# Altium PCB LimeSDR-Micro_1v0.PcbDoc (part 7 of 8) (continued)
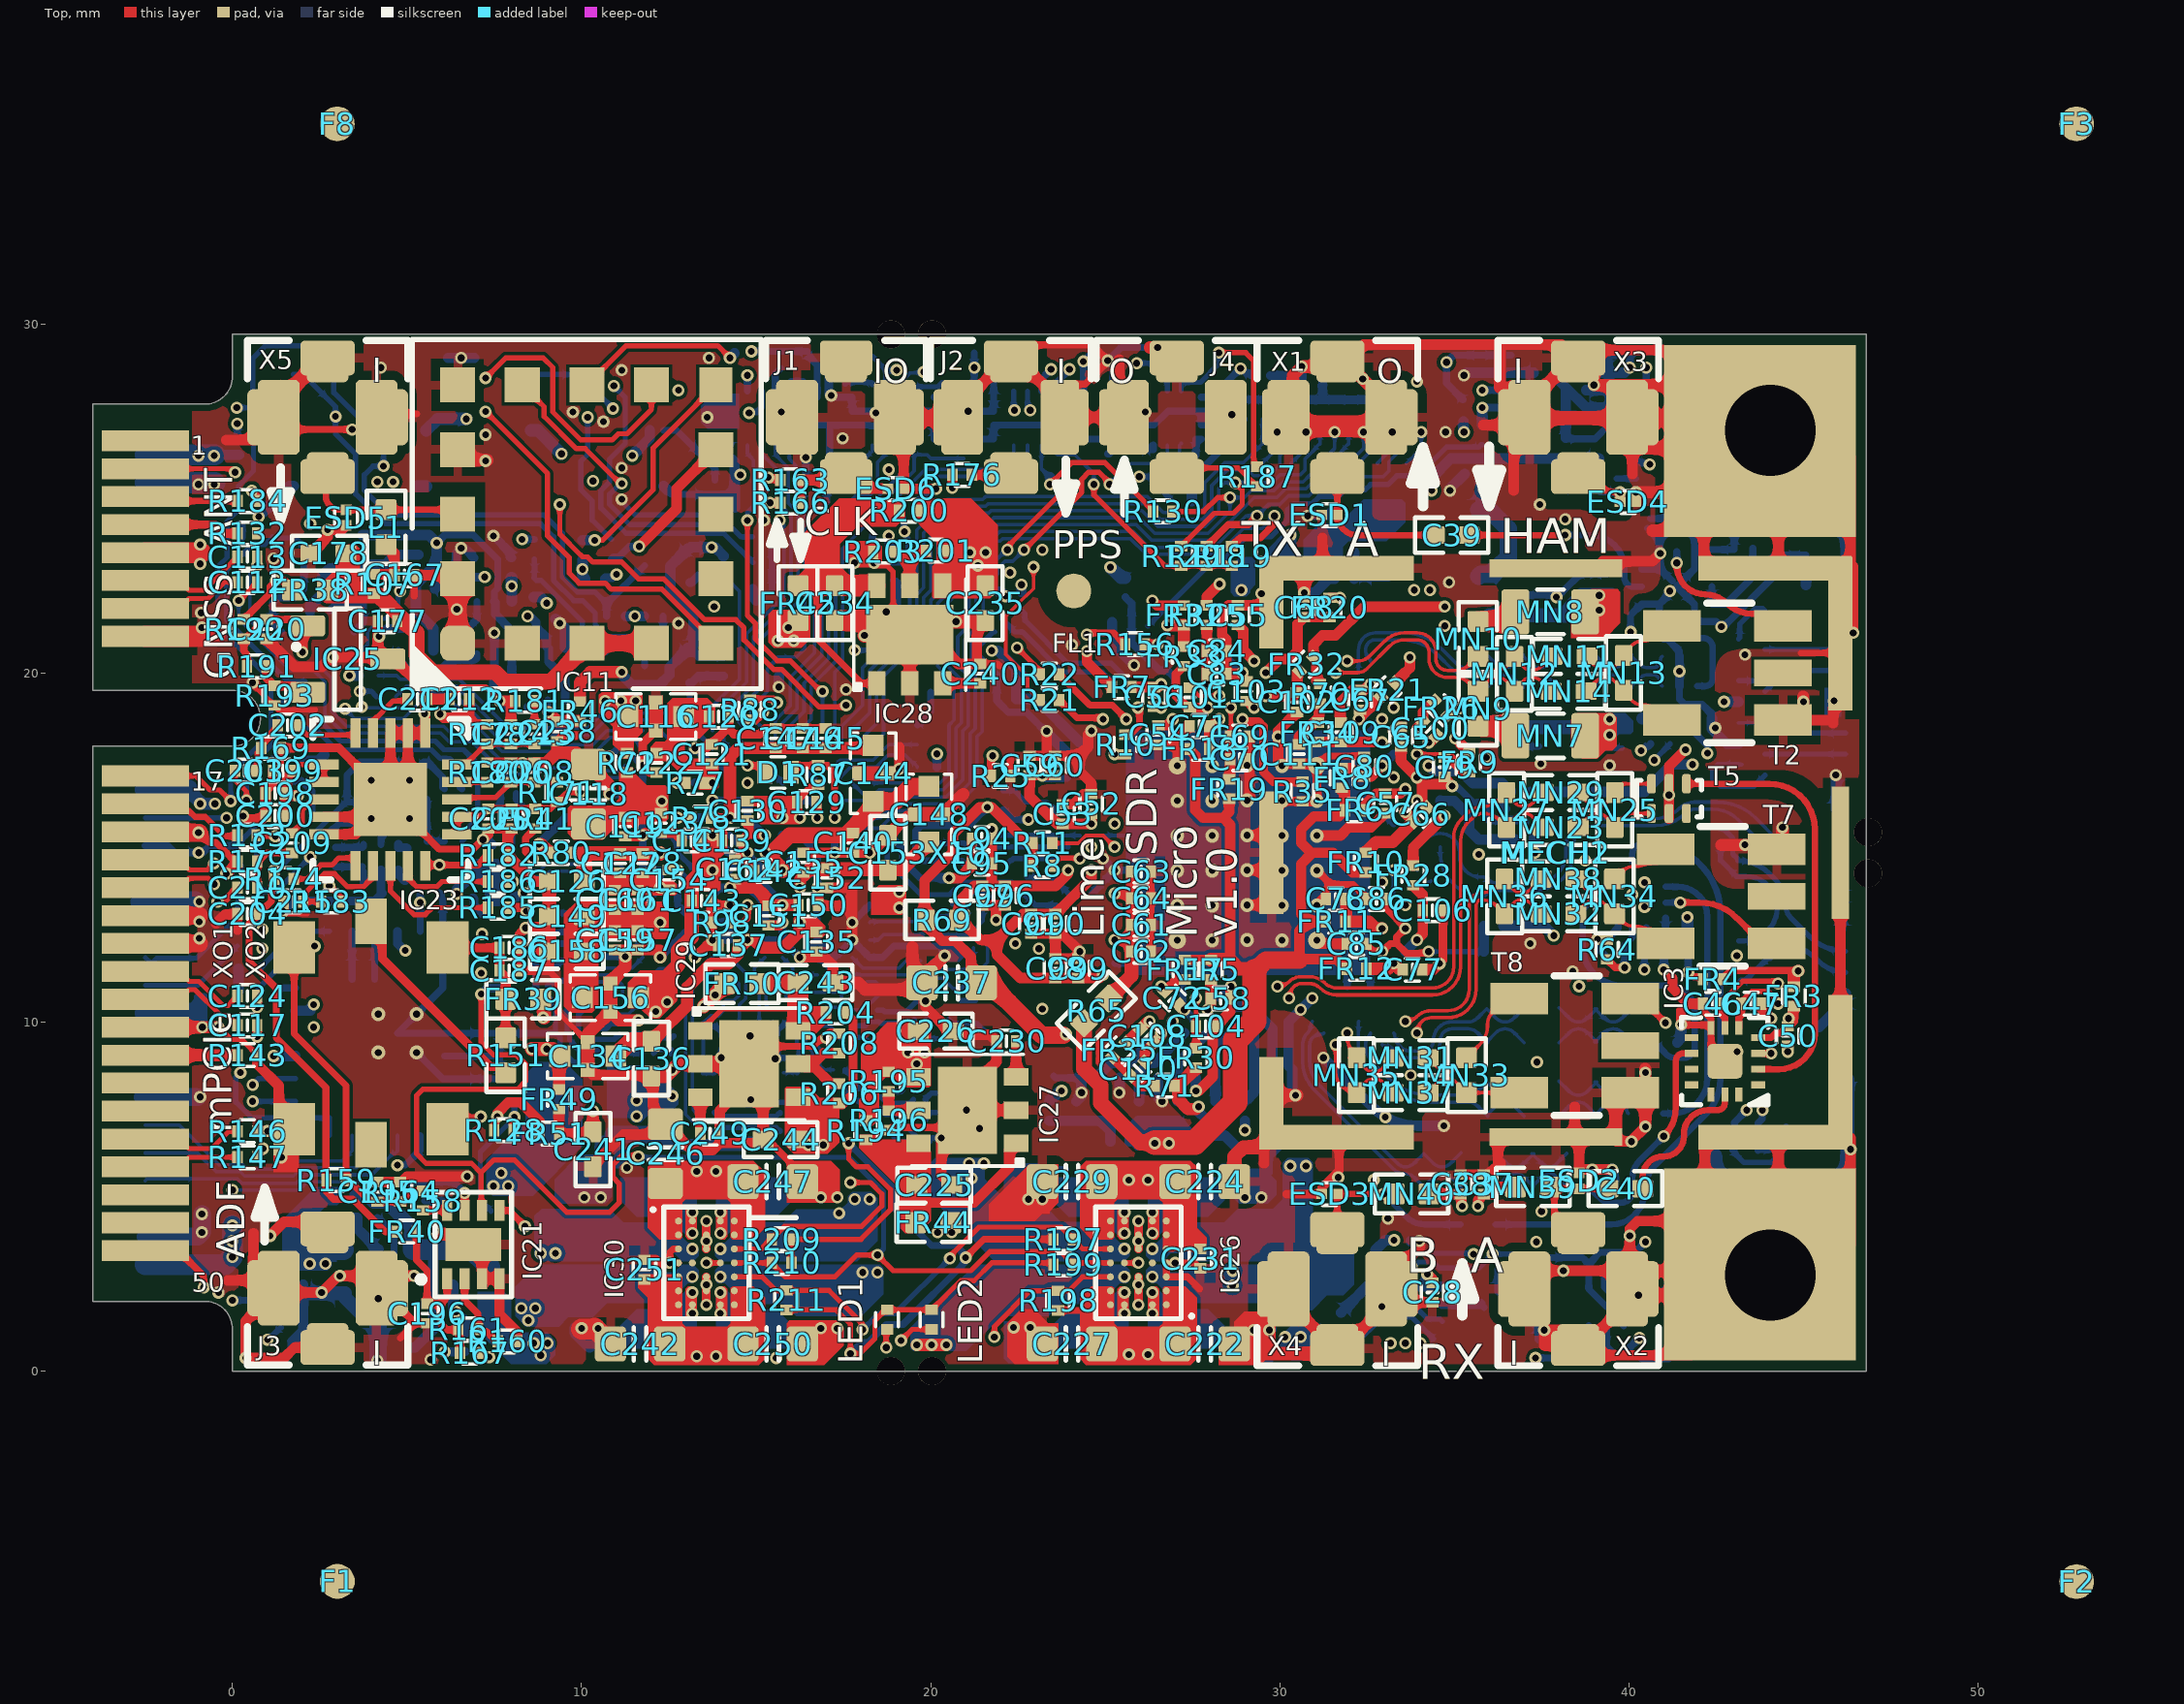
[diagram p0: Top view]
## Nets (pads, with @x,y where several pads share a name; then routed paths per layer and width w, separated by ;. In a path a pad name is that pad's centre, name@x,y a point inside that pad or via, vN(x,y) a via of type N, cw(c..) or ccw(c..) an arc to the next point about the centre after c; other vN are vias at no path point) (continued)
  Bottom w0.22: IC9.5@39.35,1.3 39.35,0.7 39.575,0.475 39.825,0.475 v1(40.3,0.95)
  Bottom w0.3: R149.1@11.275,21.625 v1(11.525,21.625) R140.1@11.775,21.625 ; v1(42.725,19.175) X13.8@43.142,19.175
  Bottom w0.35: X6.4@5.3,25.35 X6.4@5.55,25.35
VCC3P3_CLK: C132.2 C133.1 C182.1 C183.2 C185.2 C189.2 C192.2 C197.2 C201.1 C204.2 C205.2 C244.2 FR38.1 FR39.2 FR40.1 FR41.1 IC7.1 IC16.1 IC16.5 IC16.6 IC17.1 IC17.5 IC18.1 IC18.5 IC19.5 IC22.5 IC23.16 IC23.17 IC29.4 R159.1 R171.2 R174.1 R190.2 R204.2 R206.1 | length 117.3
  Top w0.2: R190.2@0.325,21.537 0.35,21.537 0.4,21.587 0.4,21.612 1.075,22.288 1.075,22.475 v1(1.25,22.65) 1.5,22.65 FR38.1@1.725,22.425 ; C204.2@0.655,13.05 C204.2@0.705,13.1 0.705,13.125 C204.2@0.755,13.175 ; R174.1@1.195,14.1 1.145,14.05 1.145,13.938 1.115,13.908 1.115,13.462 0.475,12.822 0.475,11.75 1.25,10.975 1.25,9.55 2.675,8.125 2.675,5.485 R159.1@2.69,5.47 2.69,5.135 2.9,4.925 3.45,4.925 4.38,3.995 FR40.1@4.715,3.995 ; IC23.16@6.425,15.375 IC23.17@6.425,15.875 6.445,15.895 7.115,15.895 7.25,16.03 7.25,16.055 7.3,16.105 C205.2@7.325,16.105 FR41.1@8.675,16.105 9.095,16.105 9.225,16.235 9.225,16.26 9.275,16.31 R171.2@9.3,16.31 9.35,16.36 9.398,16.36 9.638,16.6 v1(9.975,16.6)
  Top w0.25: 16.975,7.625 17.468,7.625 17.775,7.932 17.775,10.055 R204.2@17.555,10.275
  Top w0.3: R174.1@1.195,14.1 v1(1.195,14.35) ; C244.2@16.2,6.635 16.204,6.639 16.754,6.639
  Top w0.4: v1@8.925,10.125 FR39.2@8.925,10.65
  Top w0.6: C244.2@16.2,6.635 IC29.4@16.2,7.85
  L3 w0.3: v1(5.85,23.725) 5.85,21.925 5.025,21.1 5.025,19.1 2.8,16.875 2.8,15.955 v1(1.195,14.35) 1.9,13.645 1.9,11.8 2.125,11.575 5.3,11.575 5.625,11.9 7.226,11.9 7.55,11.576 7.55,10.624 7.35,10.424 7.35,9.475 8.1,8.725 9.3,8.725 9.5,8.925 9.5,9.9 9.275,10.125 ; v1@8.875,10.125 v1(8.9,10.125) 9.275,10.125 ; v1(9.975,16.6) 9.975,13.525 9.5,13.05 9.5,10.35 9.275,10.125
  L4 w0.25: v1(5.85,23.725) 5.85,23.475 6.175,23.15 8.6,23.15 9.6,22.15 11.45,22.15 13.3,24 14.075,24 14.75,23.325 14.75,20.55 15.225,20.075 16.275,20.075 19.25,23.05 v1(19.25,24.05)
  L4 w0.55: v1@9,10.125 10.6,10.125 11.375,9.35 11.925,9.35 12.175,9.6 12.886,9.6 13.45,9.036 ; 13.502,8.681 13.502,8.548 13.7,8.35 15.2,8.35 16.725,6.825
  L6 w0.3: v1(1.25,22.65) 1.825,23.225 2.84,23.225 3.34,23.725 v1(5.85,23.725)
  Bottom w0.15: v1(1.195,14.35) 1.295,14.35 3.245,16.3 C192.2@3.28,16.3 ; IC22.5@18.912,23.15 19.125,23.15 19.35,23.375 19.35,23.847 19.247,23.95 19.227,23.95 C197.2@19.227,24.427
  Bottom w0.2: IC19.5@4.25,15.087 4.25,15.3 4.495,15.545 4.495,16.3 C192.2@3.28,16.3 3.28,17.08 3.65,17.45 C183.2@4.92,17.45 ; C182.1@4.5,16.295 5.495,16.295 5.575,16.375 IC16.6@5.575,15.175 IC16.5@6.075,15.175 ; v1(5.85,23.725) 6.075,23.95 6.9,23.95 7.6,23.25 7.6,22.425 7.5,22.325 IC18.5@7.5,22.05
  Bottom w0.25: IC18.5@7.5,22.05 7.525,22.025 7.525,21.691 8,21.216 IC18.1@8,20.55 8,19.755 C189.2@8.03,19.725
  Bottom w0.3: IC7.1@3.725,23.95 C132.2@4.675,23.95 C133.1@5.325,23.95 5.625,23.95 v1(5.85,23.725) 5.85,23.125 5.25,22.525 IC17.5@5.25,22.15 5.25,21.775 5.75,21.275 IC17.1@5.75,20.65
  other v1: 16.5,6.475 16.925,6.475
VCC3P3_GNSS: C177.2 C178.2 FR38.2 IC11.14 IC11.15 R107.2 | length 11.2
  Top w0.45: FR38.2@2.725,22.225 4.205,22.225 5.275,21.155 5.275,20.5 5.75,20.025 7.525,20.025 7.8,19.75 9.1,19.75 9.875,20.525 9.875,20.575 IC11.15@10.15,20.85 IC11.14@12,20.85
VCC3P3_MPCIE: C218.2 FR43.1 R150.2 X10.2 X10.52 | length 50.1
  L4 w0.5: v1@-1.025,26.225 -1.575,25.674 -1.575,21.25 -1.05,20.725 0.899,20.725 1.825,19.799 1.825,18.125 0.775,17.075 -1.3,17.075 -2.025,16.35 -2.025,6.425 0,4.4 v1(0,4.169) 0,3.9 v1(0,3.72) ; v1(-0.975,26.224) v1@-0.6,26.225
  L4 w1: 0,3.544 v1(0,3.72) ; 0,3.9 0.825,4.725 2.3,4.725 5.275,7.7 6.175,7.7 6.925,8.45 10.54,8.45 11.365,7.625 11.925,7.625 12.2,7.9
  Bottom w0.3: v1@-0.45,26.25 R150.2@0.183,26.25
  Bottom w0.6: X10.52@-2.5,3.05 -0.219,3.05 v1(0,3.269) v1(0,3.72) v1(0,4.169) ; X10.2@-2.5,26.25 v1@-0.5,26.25
  other v1: 11.575,7.3 11.575,7.75 12.6,7.875 -0.525,26.225
VCC3P3_RF: C239.1 FR2.1 FR3.2 FR4.2 FR47.2 | length 37
  Top w0.2: FR4.2@42.68,11.225 42.68,11.25 42.73,11.3 42.755,11.3 42.93,11.475 v1@44.85,11.475
  Top w0.35: FR3.2@44.725,11.065 44.725,11.34 v1(44.85,11.465)
  L4 w0.3: v1(30.15,0.975) v1(30.6,0.975) 31.925,2.3 34.375,2.3 34.75,2.675 36.018,2.675 36.575,3.232 36.575,5.925 39.475,8.825 40.149,8.825 40.299,8.975 40.651,8.975 40.801,8.825 42.8,8.825 42.975,8.65 44.7,8.65 45,8.95 45,10.3 44.85,10.45 v1(44.85,11.465)
  L6 w0.4: v1@44.875,11.49 44.875,16.475 44.525,16.825 44.525,19.372 45.075,19.922 v2(45.075,22.52)
  Bottom w0.3: v2(45.075,22.52) FR2.1@45.075,22.82
VCC3P3_RF_RX1: C37.1 C50.1 FR3.1 IC3.4 MN39.2 | length 15.2
  Top w0.2: IC3.4@43.702,9.55 44.072,9.55 44.197,9.675 44.345,9.675 C50.1@44.55,9.88
  Top w0.3: v1(35.675,4.725) 35.685,4.735 35.685,4.905 35.825,5.045 35.825,5.07 C37.1@35.85,5.07 36.07,5.07 36.275,5.275 MN39.2@36.75,5.275 ; C50.1@44.55,9.88 44.7,10.03 FR3.1@44.7,10.455
  L4 w0.3: v1(35.675,4.725) 35.675,6.05 39,9.375 40.817,9.375 40.967,9.225 42.5,9.225 42.95,9.675 44.35,9.675 44.575,9.9 v1(44.575,10.1)
VCC3P3_RF_RX2: C38.1 C51.1 FR4.1 IC4.4 MN40.2 | length 14.4
  Top w0.2: v1(41.7,11.425) 41.825,11.3 42.07,11.3 42.12,11.25 FR4.1@42.12,11.225
  Top w0.3: MN40.2@34.275,5.075 34.28,5.07 C38.1@35.175,5.07 35.2,5.07 35.2,4.764 35.225,4.739 v1(35.225,4.725)
  L4 w0.3: v1(35.225,4.725) 35.225,7.309 38.166,10.25 40.125,10.25 40.625,10.75 41.025,10.75 v1(41.7,11.425)
  Bottom w0.2: IC4.4@41.053,12.975 41.053,12.572 C51.1@41.69,11.935 ; v1(41.7,11.425) C51.1@41.7,11.945
VCC_CLK: C253.2 FR50.1 IC30.E2 L9.2 | length 16.6
  Top w0.4: v1(13.5,10.45) FR50.1@14.1,11.05
  L3 w0.45: 8.475,1.675 8.475,1.825 9.775,3.125 9.775,3.8 9.5,4.075 9.5,5.107 10.643,6.25 10.9,6.25 11.35,6.7 11.75,6.7 12.075,7.025 12.075,8.075 11.125,9.025 11.125,10.35 12.025,11.25 13,11.25 13.65,10.6
  Bottom w0.1: 8.875,2.55 10.075,2.55 C253.2@10.225,2.4
  other v1: 8.475,1.45 8.275,1.8 8.675,1.8 13.175,2.7 13.825,10.775
VCC_EXT: C219.2 C222.2 C224.2 C227.2 C229.2 C231.1 C242.2 C246.2 C247.2 C250.2 C251.1 FR43.2 IC26.A1 IC26.A5 IC26.B1 IC26.B5 IC26.E1 IC26.F1 IC26.F5 IC26.G1 IC26.G5 IC30.A1 IC30.A5 IC30.B1 IC30.B5 IC30.E1 IC30.F1 IC30.F5 IC30.G1 IC30.G5 R198.1 | length 44.7
  Top w0.15: C251.1@11.8,2.7 IC30.E1@12.775,2.7 ; C242.2@12.525,0.775 12.525,1.65 IC30.G1@12.775,1.9 ; C246.2@12.525,5.425 12.525,5.375 12.525,4.55 IC30.A1@12.775,4.3 ; IC30.G5@14.375,1.9 14.625,1.65 C250.2@14.625,0.775 ; IC30.A5@14.375,4.3 14.625,4.55 C247.2@14.625,5.425 ; C227.2@24.9,0.775 24.9,1.65 IC26.A5@25.15,1.9 ; C229.2@24.9,5.425 24.9,4.55 IC26.G5@25.15,4.3 ; IC26.A1@26.75,1.9 27,1.65 C222.2@27,0.775 ; IC26.E1@26.75,3.5 C231.1@27.725,3.5 ; IC26.G1@26.75,4.3 27,4.55 C224.2@27,5.425
  Top w0.2: R198.1@23.65,1.74 24.45,1.74
  L4 w1: 7.55,5 7.55,3.7 7.55,3.554 8.529,2.575 11.15,2.575 12.975,0.75 14.85,0.75 16.425,2.325 ; 13.575,5.425 14.3,5.425 14.8,4.925 14.8,3.95 16.425,2.325 ; 25.975,5.325 25.1,5.325 24.625,4.85 24.625,3.95 23.15,2.475 ; 26.1,0.725 24.9,0.725 23.15,2.475 ; 16.425,2.325 17.325,2.325 17.675,1.975 21.475,1.975 21.975,2.475 23.15,2.475
  other v1: 13.3,0.425 13.85,0.425 25.675,0.475 26.225,0.475 7.475,5.3 7.9,5.3 25.675,5.475 26.225,5.475 7.7,5.675 13.3,5.725 13.85,5.725
VCC_VREF_DAC: C220.1 IC25.1 R165.2 R190.1 R191.1 | length 27.2
  Top w0.15: R190.1@0.325,20.977 0.35,20.977 0.425,21.052 0.425,21.065 0.822,21.462 0.9,21.462 C220.1@0.975,21.537
  Top w0.2: R190.1@0.325,20.977 0.325,20.625 0.415,20.535 R191.1@0.415,20.187 ; C220.1@0.975,21.537 1.962,21.537 1.975,21.525 IC25.1@1.975,21.35
  Top w0.3: IC25.1@1.95,21.35 1.975,21.35 IC25.1@2.15,21.35 2,21.2 v1(2,20.6)
  L4 w0.1: v1(0,5.186) -1.6,6.786 -1.6,16.05 -0.975,16.675 0.942,16.675 2.225,17.958 2.225,20.375 v1(2,20.6)
  Bottom w0.1: v1(0,5.186) 1.911,5.186 2.15,5.425 R165.2@4.345,5.425
VCCIO_CLK: C184.1 C191.2 C241.2 FR49.2 FR51.2 IC17.6 IC20.1 IC20.5 R172.1 | length 29.2
  Top w0.3: FR49.2@9.355,7.506 FR51.2@9.355,6.8 10.275,6.8 C241.2@10.325,6.85 v1(10.325,7.45)
  L3 w0.25: 9.225,17.15 10.1,17.15 10.4,16.85 10.4,13.25 9.875,12.725 9.875,7.9 v1(10.325,7.45)
  L3 w0.3: v1(8.35,13.7) 9.225,14.575 9.225,17.15 8.475,17.9 v1@8.475,21.625
  L6 w0.35: v1(7.225,22.75) 7.425,22.95 8.171,22.95 8.45,22.671 v1(8.45,21.625)
  Bottom w0.25: IC17.6@5.775,22.4 6.12,22.745 C184.1@6.925,22.745 7.145,22.745 v1@7.15,22.75 ; v1@8.475,21.625 8.525,21.625 8.7,21.45 8.7,21.3 9,21 9,20.75 IC20.1@9.025,20.725 9.05,20.7 9.05,20.325 9.525,19.85 IC20.5@9.525,19.225
  Bottom w0.3: R172.1@8.08,13.575 8.08,13.6 8.236,13.6 8.336,13.7 v1(8.35,13.7)
VCCIO_CLK_BIAS: C207.1 R157.1 R172.2 R175.1 | length 13.7
  L3 w0.3: v1(6.425,13.675) 6.425,15.1 6.8,15.475 6.8,21.051 7,21.251 7,22.175 6.675,22.5 6.675,22.875 6.975,23.175 7.45,23.175 7.7,22.925 8.325,22.925 9,22.25 v1(9,22)
  Bottom w0.3: v1(6.425,13.675) 6.425,13.8 6.73,14.105 C207.1@6.875,14.105 ; R157.1@8.625,22.17 R157.1@8.65,22.17 8.83,22.17 v1@8.925,22.075
VDIO_LMS: C28.1 C237.2 FR48.2 IC2.8 R8.1 R10.2 R11.2 R12.2 R13.2 R53.2 R54.2 R69.1 | length 43.2
  Top w0.3: C237.2@21.15,11.35 21.15,11.875 20.7,12.325 20.334,12.325 19.975,12.684 19.975,12.775 R69.1@19.825,12.925 19.825,14.05 20.635,14.86 20.635,15.386 21.399,16.15 v1(21.625,16.15) 21.75,16.15 22.795,15.105 22.92,15.105 R8.1@22.92,14.475 ; v1(25.27,17.676) 25.277,17.67 R10.2@25.575,17.67 ; v1@34.25,2.775 34.25,2.761 34.35,2.661 34.35,2.53 C28.1@34.375,2.53
  Top w0.5: C237.2@21.45,11.125 21.65,10.925 21.875,10.925 23.175,9.625 v1@23.8,9.625
  L4 w0.3: v1(21.625,16.15) 21.95,16.475 23.55,16.475 24.751,17.676 v1(25.27,17.676)
  L4 w0.35: v1(23.875,9.65) 24.625,9.65 25.8,8.475 26.65,8.475 27.15,7.975 27.15,7.436 27.75,6.836 27.75,5.9 28.2,5.45 28.2,2.264 28.464,2 28.85,2 30.6,3.75 v1(33.275,3.75)
  L6 w0.35: v1(33.275,3.75) 33.275,3.725 v1(34.225,2.775)
  Bottom w0.2: v1(21.625,16.15) 21.1,15.625 19.825,15.625 19.727,15.625 19.575,15.473 19.575,14.777 19.727,14.625 20.758,14.625 20.773,14.61 20.9,14.61 R13.2@20.95,14.56 20.985,14.525 R12.2@21.645,14.525
  Bottom w0.3: FR48.2@31.75,1.675 31.754,1.675 32.745,2.666 R53.2@32.745,3.075 32.745,3.47 33.025,3.75 v1(33.275,3.75) ; R54.2@33.85,2.43 34.21,2.43 ; 34.21,2.425 34.21,2.43 ; v1@34.21,2.765 34.21,2.43 ; 34.22,2.43 34.21,2.43 ; 34.28,2.425 IC2.8@34.65,2.425
XO_VC: C195.1 C212.2 R158.2 R159.2 R164.1 R178.1 XO1.1 XO2.1 | length 20.7
  Top w0.2: XO1.1@1.764,12.135 2.264,11.635 1.764,11.635 1.764,9.661 3.25,8.175 R159.2@3.25,5.47 3.25,5.445 3.3,5.395 3.404,5.395 3.894,4.905 4.1,4.905 C195.1@4.15,4.855 R164.1@4.805,4.855 4.855,4.905 4.903,4.905 5.134,5.136 5.426,5.136 R158.2@5.455,5.165
  Top w0.3: v1(5.95,18.82) 6.05,18.72 6.78,18.72 ; C212.2@6.78,19.2 6.78,18.72 ; R178.1@7.3,18.53 6.97,18.53 6.78,18.72
  L3 w0.3: v1(2.35,12.175) 5.95,15.775 v1(5.95,18.82)
pads on no net: C39.0 C40.0 C41.0 C44.0 C44.2 C118.0 C126.0 C136.0 C149.0 C153.0 C158.0 C178.0 C216.0 C217.0 C218.0 C219.0 C222.0 C223.0 C224.0 C225.0 C226.0 C227.0 C228.0 C229.0 C232.0 C233.0 C234.0 C235.0 C236.0 C237.0 C241.0 C242.0 C243.0 C244.0 C245.0 C246.0 C247.0 C248.0 C250.0 C252.0 C253.0 F1.1 F2.1 F3.1 F4.1 F5.1 F6.1 F7.1 F8.1 FL1.1 FL2.1 FR38.0 FR39.0 FR42.0 FR43.0 FR44.0 FR45.0 FR47.0 FR48.0 FR50.0 IC1.A5 IC1.A13 IC1.A21 IC1.AA1 IC1.AA3 IC1.AB30 IC1.AB32 IC1.AC29 IC1.AC31 IC1.AC33 IC1.AD30 IC1.AD32 IC1.AE1 IC1.AE5 IC1.AE31 IC1.AE33 IC1.AF30 IC1.AF34 IC1.AG3 IC1.AG31 IC1.AG33 IC1.AH2 IC1.AH4 IC1.AH32 IC1.AJ1 IC1.AJ3 IC1.AJ5 IC1.AJ11 IC1.AJ13 IC1.AJ21 IC1.AJ27 IC1.AJ29 IC1.AJ31 IC1.AJ33 IC1.AK2 IC1.AK4 IC1.AK6 IC1.AK8 IC1.AK10 IC1.AK26 IC1.AK28 IC1.AK30 IC1.AK32 IC1.AK34 IC1.AL3 IC1.AL5 IC1.AL7 IC1.AL9 IC1.AL11 IC1.AL27 IC1.AL29 IC1.AL31 IC1.AL33 IC1.AM6 IC1.AM10 IC1.AM28 IC1.AM30 IC1.AM34 IC1.AN27 IC1.AN29 IC1.AN31 IC1.AP30 IC1.AP32 IC1.B2 IC1.B4 IC1.B12 IC1.B14 IC1.B22 IC1.C1 IC1.C3 IC1.C5 IC1.C9 IC1.C11 IC1.C13 IC1.C15 IC1.C17 IC1.C19 IC1.C31 IC1.D2 IC1.D4 IC1.D8 IC1.D10 IC1.D12 IC1.D14 IC1.D18 IC1.D22 IC1.D30 IC1.D32 IC1.E3 IC1.E9 IC1.E11 IC1.E13 IC1.E15 IC1.E23 IC1.E29 IC1.E31 IC1.F2 IC1.F4 IC1.F10 IC1.F12 IC1.F14 IC1.F16 IC1.F22 IC1.F26 IC1.F32 IC1.G1 IC1.G29 IC1.H30 IC1.J1 IC1.J31 IC1.K30 IC1.K32 IC1.K34 IC1.L31 IC1.M2 IC1.M6 IC1.M30 IC1.M32 IC1.N31 IC1.N33 IC1.P30 IC1.P32 IC1.R33 IC1.U5 IC1.V4 IC1.V6 IC1.W3 IC1.Y2 IC1.Y4 IC1.Y32 IC3.1 IC3.8 IC3.10 IC3.11 IC3.12 IC3.14 IC4.1 IC4.8 IC4.10 IC4.11 IC4.12 IC4.14 IC6.D13 IC6.F13 IC6.F14 IC6.F15 IC6.G13 IC7.0 IC9.3 IC10.9 IC10.10 IC11.11 IC11.12 IC15.7 IC15.10 IC15.15 IC15.16 IC22.1 IC25.0 IC26.D2 IC30.D2 IC31.0 L1.0 MN1.0 MN2.0 MN3.0 MN4.0 MN5.0 MN6.0 MN7.0 MN8.0 MN9.0 MN10.0 MN11.0 MN12.0 MN13.0 MN14.0 MN15.0 MN16.0 MN17.0 MN18.0 MN19.0 MN20.0 MN21.0 MN22.0 MN23.0 MN24.0 MN25.0 MN26.0 MN27.0 MN28.0 MN29.0 MN30.0 MN31.0 MN32.0 MN33.0 MN34.0 MN35.0 MN36.0 MN37.0 MN38.0 MN39.0 MN40.0 MN41.0 R15.0 R65.0 R69.0 R151.0 T1.6 T2.2 T3.5 T3.6 T4.5 T4.6 T5.6 T6.6 T7.2 T8.2 X8.10 X8.11 X8.13 X8.14 X10.1 X10.6 X10.8 X10.10 X10.12 X10.14 X10.16 X10.24 X10.28 X10.36 X10.38 X10.48 XO1.3
copper on no net: | length 0.1
  Bottom w0.1: 33.929,14.346 33.937,14.354 ; 34.262,14.013 ccw(c34.262,14.116) 34.334,14.043

## Polygon pours and split planes (outlines as drawn)
GND on L3 "GND_L03_P012" (solid, remove dead copper, pour order 12): -4,2 -4,17.9 0,17.9 ccw(c0,18.7) 0,19.5 -4,19.5 -4,27.7 -0.8,27.7 ccw(c-0.8,28.5) 0,28.5 0,29.7 46.8,29.7 46.8,0 0,0 0,1.2 ccw(c-0.8,1.2) -0.8,2
VCC1P5 on L3 "VCC1P5_L03_P007" (solid, remove dead copper, pour order 7): 8.425,0.2 10.975,0.2 12.25,1.475 12.25,3.95 13.025,4.725 14.05,4.725 15.85,2.925 17.85,2.925 18.6,3.675 18.6,4.85 18.35,5.1 17.675,5.1 17.3,4.725 16.75,4.725 14.8,6.675 12.65,6.675 10.475,4.5 10.475,3.075 10.2,2.8 8.275,0.875 8.275,0.35
VCC0P9 on L3 "NONET_L-01_P-001" (solid, remove dead copper, pour order 6): 20.75,0.525 21.175,0.95 21.175,2 20.25,2.925 20.25,5.678 16.178,9.75 14.35,9.75 14.075,10.025 13.425,10.025 13.125,10.325 13.125,10.45 12.725,10.85 12.325,10.85 11.775,10.3 11.775,9.1 14,6.875 14.975,6.875 16.2,5.65 18,5.65 18.7,4.95 18.7,1.325 19.5,0.525
GND on L6 "GND_L06_P028" (solid, remove dead copper, pour order 28): -4,2 -4,17.9 0,17.9 ccw(c0,18.7) 0,19.5 -4,19.5 -4,27.7 -0.8,27.7 ccw(c-0.8,28.5) 0,28.5 0,29.7 46.8,29.7 46.8,0 0,0 0,1.2 ccw(c-0.8,1.2) -0.8,2
VCC2P05 on L6 "VCC2P05_L06_P000" (solid, remove dead copper, pour order 0): 17.775,2.45 18.675,2.45 19.725,3.5 24.139,3.5 25.475,4.85 26.525,4.85 30.775,0.6 34.075,0.6 34.3,0.825 34.3,1.875 30.175,6 28.55,6 27.075,7.475 24.15,7.475 22.225,5.55 19.475,5.55 19.225,5.55 18.4,4.725 17.8,4.725 17.4,4.325 17.4,2.825
GND on L2 "GND_L02_P014" (solid, remove dead copper, pour order 14): -4,2 -4,17.9 0,17.9 ccw(c0,18.7) 0,19.5 -4,19.5 -4,27.7 -0.8,27.7 ccw(c-0.8,28.5) 0,28.5 0,29.7 46.8,29.7 46.8,0 0,0 0,1.2 ccw(c-0.8,1.2) -0.8,2
GND on L2 "GND_L02_P010" (solid, remove dead copper, pour order 10): -4,2 -4,17.9 0,17.9 ccw(c0,18.7) 0,19.5 -4,19.5 -4,27.7 -0.8,27.7 ccw(c-0.8,28.5) 0,28.5 0,29.7 46.8,29.7 46.8,0 0,0 0,1.2 ccw(c-0.8,1.2) -0.8,2
GND on L7 "GND_L07_P016" (solid, remove dead copper, pour order 16): -4,2 -4,17.9 0,17.9 ccw(c0,18.7) 0,19.5 -4,19.5 -4,27.7 -0.8,27.7 ccw(c-0.8,28.5) 0,28.5 0,29.7 46.8,29.7 46.8,0 0,0 0,1.2 ccw(c-0.8,1.2) -0.8,2
GND on L5 "GND_L05_P018" (solid, remove dead copper, pour order 18): -4,2 -4,17.9 0,17.9 ccw(c0,18.7) 0,19.5 -4,19.5 -4,27.7 -0.8,27.7 ccw(c-0.8,28.5) 0,28.5 0,29.7 46.8,29.7 46.8,0 0,0 0,1.2 ccw(c-0.8,1.2) -0.8,2
GND on Top "GND_L01_P026" (solid, remove dead copper, pour order 26): -4,2 -4,17.9 0,17.9 ccw(c0,18.7) 0,19.5 -4,19.5 -4,27.7 -0.8,27.7 ccw(c-0.8,28.5) 0,28.5 0,29.7 46.8,29.7 46.8,0 0,0 0,1.2 ccw(c-0.8,1.2) -0.8,2
GND on L4 "GND_L04_P022" (solid, remove dead copper, pour order 22): -4,2 -4,17.9 0,17.9 ccw(c0,18.7) 0,19.5 -4,19.5 -4,27.7 -0.8,27.7 ccw(c-0.8,28.5) 0,28.5 0,29.7 46.8,29.7 46.8,0 0,0 0,1.2 ccw(c-0.8,1.2) -0.8,2
GND on Bottom "GND_L08_P024" (solid, remove dead copper, pour order 24): -4,2 -4,17.9 0,17.9 ccw(c0,18.7) 0,19.5 -4,19.5 -4,27.7 -0.8,27.7 ccw(c-0.8,28.5) 0,28.5 0,29.7 46.8,29.7 46.8,0 0,0 0,1.2 ccw(c-0.8,1.2) -0.8,2

## Other copper
Top:
  pour cut-out: 37.75,26.75 39.95,26.75 39.95,25.691 ccw(c40.291,25.691) 40.05,25.45 cw(c39.869,25.269) 40.125,25.269 40.125,24.625 cw(c39.85,24.625) 39.85,24.35 39.408,24.35 cw(c39.408,25.033) 38.925,24.55 ccw(c38.623,24.248) 38.623,24.675 37.775,24.675 cw(c37.775,25.075) 37.375,25.075 37.375,26.375 cw(c37.75,26.375)
  pour cut-out: 38.15,23.4 38.475,23.4 ccw(c38.475,23.675) 38.75,23.675 38.75,24.075 ccw(c38.45,24.075) 38.45,24.375 38.15,24.375
  pour cut-out: 30.425,5.4 30.425,2.825 32.875,2.825 32.875,4.15 cw(c33.2,4.15) 33.2,4.475 33.525,4.475 ccw(c33.525,4.725) 33.775,4.725 33.775,5.425 ccw(c33.475,5.425) 33.475,5.725 30.75,5.725 ccw(c30.75,5.4)
  pour cut-out: 43.25,8.3 44.75,8.3 ccw(c44.75,9.325) 45.775,9.325 45.775,15.725 ccw(c44.275,15.725) 44.275,17.225 41.3,17.225 41.3,16.375 44,16.375 cw(c44,15.325) 45.05,15.325 45.05,9.775 cw(c44.75,9.775) 44.75,9.475 43.25,9.475
  pour cut-out: 39.8,2.95 39.8,4.075 cw(c40.275,4.075) 40.275,4.55 40.55,4.55 ccw(c40.55,5.975) 41.975,5.975 41.975,7.125 cw(c42.05,7.125) 42.05,7.2 42.75,7.2 ccw(c42.75,7.5) 43.05,7.5 43.05,8.375 42.375,8.375 cw(c42.375,8.5) 42.25,8.5 42.25,9.225 ccw(c42.025,9.225) 42.025,9.45 41.2,9.45 ccw(c41.2,9.125) 40.875,9.125 40.875,7.372 cw(c40.278,7.372) 40.7,6.95 40.064,6.314 cw(c38.763,7.616) 38.763,5.775 37.2,5.775 ccw(c37.2,5.625) 37.05,5.625 37.05,2.95
  pour cut-out: 29.675,11.4 29.675,10.675 ccw(c30.025,10.675) 30.025,10.325 cw(c30.025,9) 31.35,9 31.35,8.05 ccw(c32,8.05) 32,7.4 38.025,7.4 38.025,11.375 36.425,11.375 cw(c36.425,11.7) 36.1,11.7 36.1,12.3 cw(c36.375,12.3) 36.375,12.575 39.45,12.575 cw(c39.45,12.3) 39.725,12.3 39.725,12 ccw(c40.2,12) 40.2,11.525 45.25,11.525 45.25,13.825 43.025,13.825 cw(c43.025,14.5) 42.35,14.5 42.35,15.2 ccw(c42,15.2) 42,15.55 41,15.55 41,17.2 36.275,17.2 ccw(c36.275,15.65) 34.725,15.65 34.725,11.625 cw(c34.4,11.625) 34.4,11.3 31.741,11.3 cw(c31.741,11.641) 31.5,11.4 ccw(c31.198,11.098) 31.198,11.525 29.8,11.525 ccw(c29.8,11.4)
  pour cut-out: 31.325,20.575 31.325,20.05 ccw(c31.725,20.05) 31.725,19.65 32.049,19.65 ccw(c32.049,21.101) 33.075,20.075 33.243,20.243 cw(c33.725,19.761) 33.725,20.443 33.782,20.443 cw(c33.782,20.225) 34,20.225 ccw(c35.05,20.225) 35.05,19.175 38.787,19.175 cw(c38.787,18.312) 39.65,18.312 ccw(c40.162,18.312) 40.162,17.8 41.85,17.8 ccw(c41.85,18.425) 42.475,18.425 42.475,20 cw(c43.15,20) 43.15,20.675 45.625,20.675 45.625,23.071 41.875,23.071 41.875,23.35 ccw(c41.55,23.35) 41.55,23.675 41.35,23.675 ccw(c41.35,23.225) 40.9,23.225 40.9,22.8 cw(c40.375,22.8) 40.375,22.275 ccw(c40.375,21.9) 40,21.9 40,21.675 cw(c39.325,21.675) 39.325,21 35.5,21 cw(c35.5,21.175) 35.325,21.175 ccw(c34.825,21.175) 34.825,21.675 33.386,21.675 ccw(c33.386,20.139) 32.3,21.225 31.991,20.916 cw(c31.65,21.258) 31.65,20.775 31.525,20.775 ccw(c31.525,20.575)
  pour cut-out: 31.35,24.25 ccw(c32.212,24.262) 32.225,23.4 38.15,23.4 38.15,24.375 32.825,24.375 cw(c32.85,24.575) 32.65,24.6 32.65,26.825 30.55,26.825 30.55,24.9 31.125,24.9 cw(c31.125,24.675) 31.35,24.675
  pour cut-out: 3.4,24.375 5.425,24.375 cw(c5.425,24.15) 5.65,24.15 ccw(c6.05,24.15) 6.05,23.75 7.25,23.75 7.25,25.175 4,25.175 cw(c4,25.45) 3.725,25.45 3.725,26.975 1.675,26.975 1.675,25.55 ccw(c2.85,25.55) 2.85,24.375
  region net VCC0P9_AFE_SVDD: 12.4,12.375 12.5,12.475 12.5,13.35 12.4,13.45 9.85,13.45 9.5,13.1 9.5,10.45 9.675,10.275 10.3,10.275 10.475,10.45 10.475,12.125 10.725,12.375
  pour cut-out: 41,15.235 42.35,15.235 42.35,16.375 41,16.375
  region net GND: 1.9,5.7 1.175,5.7 1.175,6.35 1.9,6.35
  region net VCC0P9: 11.325,10.4 11.675,10.4 11.975,10.1 12.225,10.1 12.725,10.6 12.725,11.206 12.456,11.475 11.675,11.475 11.325,11.125
  region net VCC1P35: 11.75,18.975 11.75,19.375 11.675,19.45 10.575,19.45 10.5,19.375 10.5,18.863 11.012,18.35 11.75,18.35
  region net VCC1P8: 18.3,13.7 18.525,13.925 19.075,13.925 19.2,13.925 19.3,13.825 19.3,13.2 19.175,13.075 18.3,13.075
  pour cut-out: 7.25,25.175 7.25,25.475 5.625,25.475 5.625,25.175
  region net VCC1P8_AFE_OTVDD: 16.075,12.975 16.075,12.5 16.15,12.425 16.9,12.425 16.975,12.5 16.975,12.75 16.825,12.9 16.675,13.05 16.15,13.05
  region net GND: 10.9,14.425 10.7,14.225 10.7,13.7 10.775,13.625 12.675,13.625 12.725,13.675 12.725,13.95 12.625,14.05 12.25,14.05 11.875,14.425
  region net VCC1P8: 16.251,15.675 15.125,15.675 15.075,15.725 15.075,16.475 16.251,16.475
  region net VCC1P35: 11.475,17.55 11.5,17.575 11.5,18.05 11.75,18.3 11.75,18.975 11.625,19.1 11.025,19.1 10.9,18.975 10.9,17.95 11.1,17.75 11.1,17.575 11.125,17.55
  region net VCC1P35_SD_XVDD: 13.063,18.125 12.95,18.012 12.95,17.7 13.208,17.442 13.208,17.35 12.884,17.35 12.495,17.739 12.495,17.96 12.66,18.125 12.75,18.125
  region net VCC1P35_SD_XVDD: 12.75,18.125 13.375,18.125 13.825,18.575 13.825,19.05 13.6,19.275 12.6,19.275 12.45,19.125 12.45,18.005 12.54,17.915
  region net VCC1P35_SD_XVDD: 12.65,18.025 12.125,18.025 11.975,17.875 11.975,17.525 12.033,17.467 12.767,17.467
  region net VCC1P35_SD_XVDD: 13.375,16.65 13.85,16.65 13.925,16.725 13.925,17.525 13.9,17.55 13.4,17.55 13.35,17.5 13.35,16.675
  region net VCC1P35_AVDD_SD_PLL: 11.475,17.275 11.475,17.175 11.875,16.775 12.4,16.775 12.475,16.7 12.475,15.825 12.325,15.675 11.675,15.675 11.575,15.575 10.95,15.575 10.6,15.225 9.775,15.225 9.6,15.4 9.6,16.125 9.675,16.2 10.875,16.2 11.075,16.4 11.075,17.275 11.1,17.3 11.45,17.3
  region net VCC0P9: 13.175,15.325 13.175,13.745 13.925,13.75 13.975,13.8 13.975,14.716 14.175,14.916 14.175,15.45 14.075,15.55 13.4,15.55
  region net VCC_EXT: 26.65,3.825 26.65,3.5 27.75,3.5 27.9,3.65 27.9,3.825 27.625,4.1 26.95,4.1 26.75,3.9
  region net VCC_EXT: 12.875,2.375 12.875,2.7 11.775,2.7 11.625,2.55 11.625,2.375 11.9,2.1 12.575,2.1 12.775,2.3
  region net VCC3P3_GNSS: 2.5,22.6 2.575,22.6 2.95,22.975 2.95,23.325 3.3,23.675 3.525,23.675 3.65,23.55 3.65,22.625 3.825,22.45 3.825,22.225 3.8,22.2 2.525,22.2 2.425,22.3 2.425,22.525
  region net NetC225_2: 17.95,6.775 17.95,6.4 19.088,5.262 19.088,4.138 19.275,3.95 19.65,3.95 20,4.3 20,6.3 19.675,6.625 18.575,6.625 18.425,6.775
  region net VCC1P4_LMS: 18.3,9.525 18,9.225 18,7.825 17.95,7.775 17.95,7.075 18,7.025 18.325,7.025 18.525,7.225 18.525,8.225 18.8,8.5 18.8,9.025
  pour cut-out: 38.95,11.3 38.95,9.5 41.35,9.5 41.35,11.3
  region net GND: 23.65,0.204 22.403,0.204 22.2,0.407 22.2,1.375 22.6,1.775 22.969,1.775 23.369,1.375 23.65,1.375
  region net GND: 22.975,4.3 23.178,4.503 23.4,4.503 23.4,4.575 23.65,4.825 23.65,5.925 22.825,5.925 21.675,4.775 21.675,4.3
  region net GND: 15.875,4.825 17.4,4.825 17.4,5.775 17.15,6.025 15.875,6.025
  region net NetC243_2: 16.55,9.5 17.15,10.1 17.15,10.45 16.263,10.45 16.2,10.387 16.2,9.725 16.425,9.5
  region net GND: 18.14,23.325
  region net GND: 17.525,23.25 17.75,23.025 18.45,23.025 18.6,23.175 18.6,23.625 18.45,23.775 17.675,23.775 17.525,23.625
  region net VCC1P8_LMS: 39.1,17.55 39.325,17.775 39.525,17.775 39.65,17.9 39.65,18.725 39.525,18.85 38.525,18.85 38.35,18.675 38.35,17.85 38.65,17.55
  region net VCC1P8_LMS: 38.35,21 39.325,21 39.75,21.425 39.75,22.325 39.675,22.4 39.275,22.4 38.925,22.4 38.925,22.325 38.35,21.75
  region net GND: 28.25,0.175 29.45,0.175 29.875,0.6 29.875,1.425 29.6,1.7 28.991,1.7 28.7,1.409 28.7,0.775 28.25,0.775
  region net GND: 15.875,0.175 16.95,0.175 17.5,0.725 17.5,1.25 17.3,1.45 15.95,1.45 15.875,1.375
  region net VCC3P3_CLK: 15.825,6.475 16.075,6.225 17.05,6.225 17.375,6.55 17.375,7.825 16.825,7.825 16.5,8.15 15.868,8.15 15.825,8.1
  pour cut-out: -3.575,27.7 -1.15,27.7 -1.15,19.5 -3.575,19.5
  pour cut-out: -3.575,2 -1.15,2 -1.15,17.9 -3.575,17.9
  region net VCC1P4_LMS: 18.915,8.425 19.215,8.125 19.95,8.125 20,8.175 20,9.932 19.946,9.986 18.761,9.986 18.3,9.525 18.3,8.425
  region net VCC2P05: 16.55,21.8 16.55,20.975 16.3,20.725 15.5,20.725 15.35,20.875 15.35,21.675 15.475,21.8
  region net NetC234_2: 19.275,24.475 19,24.2 17.9,24.2 17.4,23.7 17.4,23.075 17.85,22.625 17.85,22.5 15.925,22.5 16.4,22.975 16.4,24.025 17.375,25 19.075,25 19.275,24.8
  region net VCC1P8_LMS: 20.175,23.75 19.9,24.025 19.5,24.425 19.5,24.9 19.6,25 21.15,25 21.915,24.235 21.915,22.365 21.695,22.145 20.08,22.145 20.05,22.175 20.05,23.05 20.175,23.175
  region net NetC52_1: 25.27,13.68
  region net VCC1P4_LMS: 19.65,8.425
  region net VCC1P8_LMS: 20.35,22.5
  region: 16.2,7.85
  region net VCC_EXT: 13.3,6.025 14.325,6.025 14.325,5.55 14.175,5.4 14.175,4.925 13.3,4.925
  region net VCC_EXT: 13.85,6.025 12.825,6.025 12.825,5.55 12.975,5.4 12.975,4.925 13.85,4.925
  region net VCC_EXT: 13.85,0.175 12.825,0.175 12.825,0.65 12.975,0.8 12.975,1.275 13.85,1.275
  region net VCC_EXT: 13.3,0.175 14.325,0.175 14.325,0.65 14.175,0.8 14.175,1.275 13.3,1.275
  region net NetIC30_A4: 14.075,4.725 14.175,4.625 14.175,3.85 14.1,3.775 13.975,3.775 13.85,3.9 13.85,4.6 13.975,4.725
  region net NetIC30_F4: 14.075,1.475 14.175,1.575 14.175,2.35 14.1,2.425 13.975,2.425 13.85,2.3 13.85,1.6 13.975,1.475
  region net NetIC30_F2: 13.075,1.475 12.975,1.575 12.975,2.35 13.05,2.425 13.175,2.425 13.3,2.3 13.3,1.6 13.175,1.475
  region net NetIC30_A2: 13.075,4.725 12.975,4.625 12.975,3.85 13.05,3.775 13.175,3.775 13.3,3.9 13.3,4.6 13.175,4.725
  region net VCC_EXT: 14.275,1.375 14.175,1.275 14.175,0.325 14.325,0.175 15.075,0.175 15.25,0.35 15.25,2.1 14.925,2.425 14.325,2.425 14.275,2.375
  region net VCC_EXT: 14.275,4.825 14.175,4.925 14.175,5.875 14.325,6.025 14.925,6.025 15.25,5.7 15.25,4.1 14.925,3.775 14.325,3.775 14.275,3.825
  region net VCC_EXT: 12.875,4.825 12.975,4.925 12.975,5.875 12.825,6.025 12.075,6.025 11.9,5.85 11.9,4.1 12.225,3.775 12.825,3.775 12.875,3.825
  region net VCC_EXT: 12.875,1.375 12.975,1.275 12.975,0.325 12.825,0.175 12.075,0.175 11.9,0.35 11.9,2.1 12.225,2.425 12.825,2.425 12.875,2.375
  region net VCC_EXT: 26.65,4.825 26.55,4.925 26.55,5.875 26.7,6.025 27.45,6.025 27.625,5.85 27.625,4.1 27.3,3.775 26.7,3.775 26.65,3.825
  region net VCC_EXT: 26.65,1.375 26.55,1.275 26.55,0.325 26.7,0.175 27.45,0.175 27.625,0.35 27.625,2.1 27.3,2.425 26.7,2.425 26.65,2.375
  region net VCC_EXT: 25.25,1.375 25.35,1.275 25.35,0.325 25.2,0.175 24.45,0.175 24.275,0.35 24.275,2.1 24.6,2.425 25.2,2.425 25.25,2.375
  region net VCC_EXT: 25.25,4.825 25.35,4.925 25.35,5.875 25.2,6.025 24.45,6.025 24.275,5.85 24.275,4.1 24.6,3.775 25.2,3.775 25.25,3.825
  region net NetIC26_A2: 26.45,1.475 26.55,1.575 26.55,2.35 26.475,2.425 26.35,2.425 26.225,2.3 26.225,1.6 26.35,1.475
  region net NetIC26_F2: 26.45,4.725 26.55,4.625 26.55,3.85 26.475,3.775 26.35,3.775 26.225,3.9 26.225,4.6 26.35,4.725
  region net NetIC26_F4: 25.45,4.725 25.35,4.625 25.35,3.85 25.425,3.775 25.55,3.775 25.675,3.9 25.675,4.6 25.55,4.725
  region net NetIC26_A4: 25.45,1.475 25.35,1.575 25.35,2.35 25.425,2.425 25.55,2.425 25.675,2.3 25.675,1.6 25.55,1.475
  region net VCC_EXT: 26.225,6.025 25.2,6.025 25.2,5.55 25.35,5.4 25.35,4.925 26.225,4.925
  region net VCC_EXT: 25.675,6.025 26.7,6.025 26.7,5.55 26.55,5.4 26.55,4.925 25.675,4.925
  region net VCC_EXT: 25.675,0.175 26.7,0.175 26.7,0.65 26.55,0.8 26.55,1.275 25.675,1.275
  region net VCC_EXT: 26.225,0.175 25.2,0.175 25.2,0.65 25.35,0.8 25.35,1.275 26.225,1.275